# Altium PCB 足底压力.PcbDoc
Units mil, origin at the board's own origin, x right, y up, seen from the top; angles counter-clockwise.
Board outline 2039.64 x 1716.04 mil, 2 copper layers (Top Layer, Bottom Layer), stack 46.457 mil thick; 67 components, 68 nets, 383 pads, 80 vias.
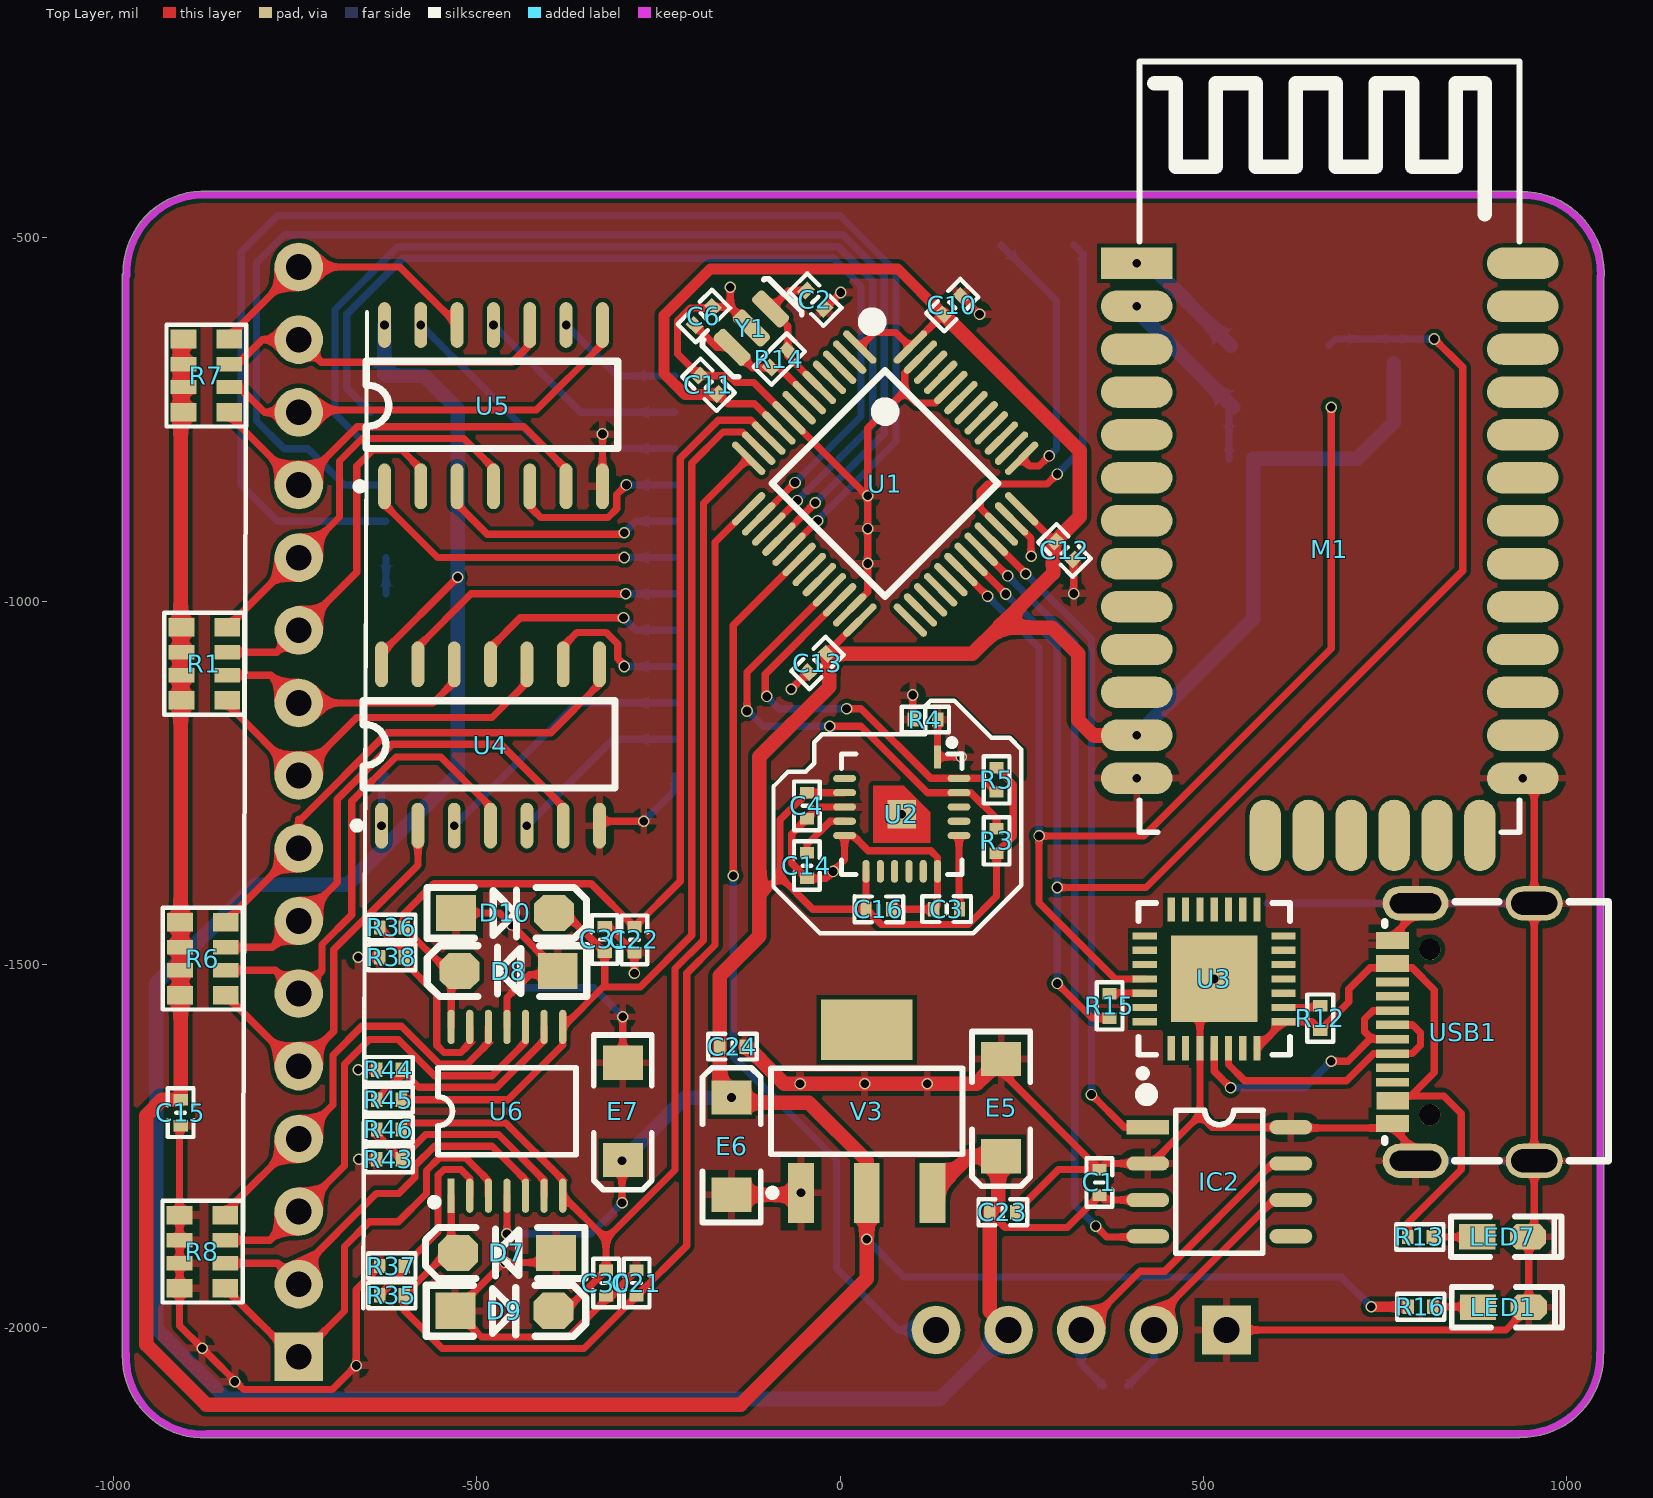
[diagram p0: Top Layer view]
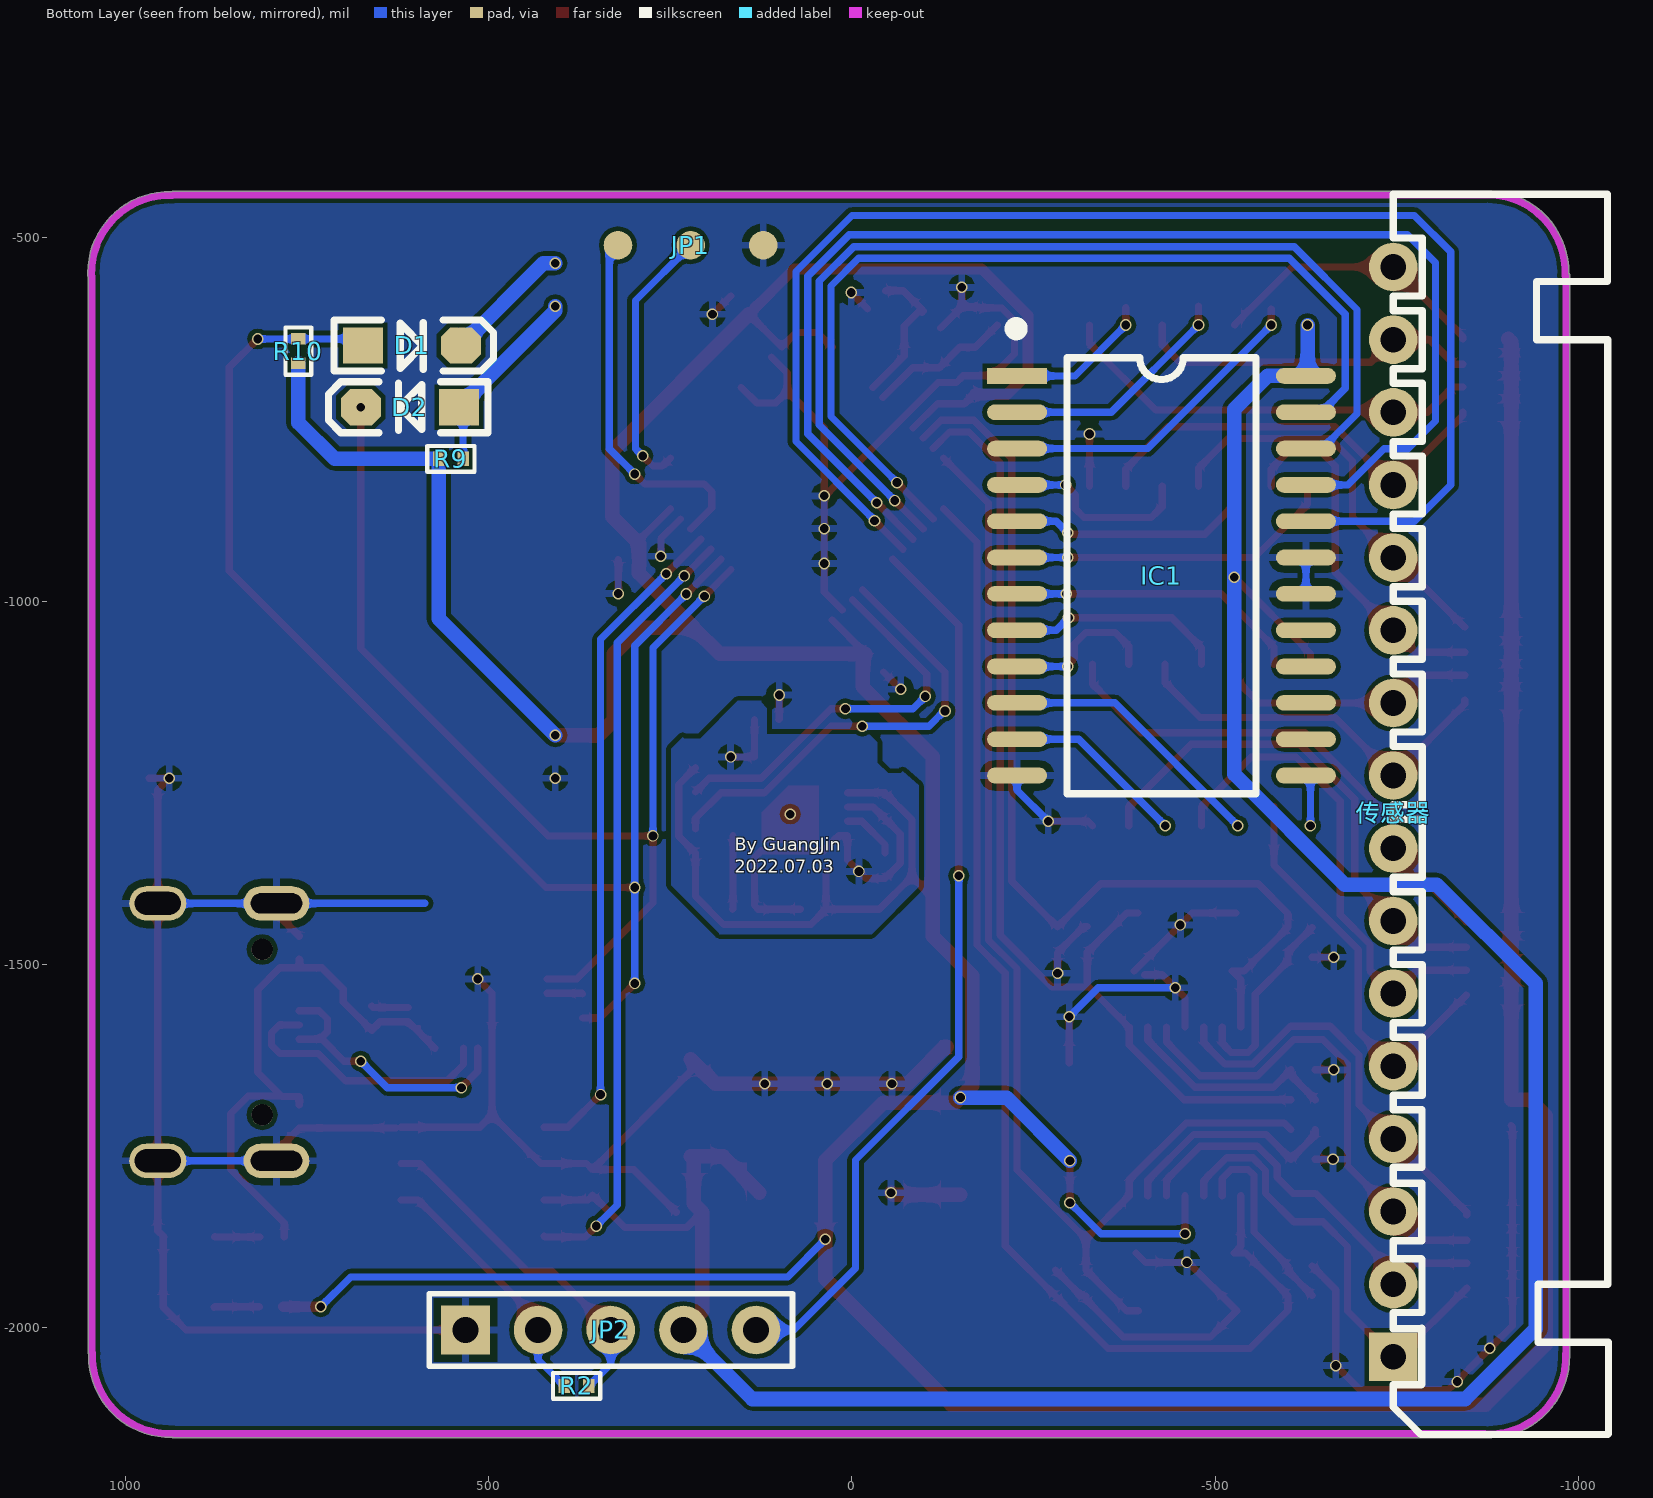
[diagram p1: Bottom Layer view, seen from below]

## Layer stack, top to bottom
Top Solder: solder mask 0.3937, Solder Resist, Dk 3.5
Top Layer: signal copper 1.1811
Dielectric 1: dielectric 44.0945, FR-4, Dk 4.8
Bottom Layer: signal copper 1.1811
Bottom Solder: solder mask 0.3937, Solder Resist, Dk 3.5

## Board outline
-870.84,-2151.5 cw(c-876,-2040) -987.6,-2037.78 cw(c-983,-2035.78) -988.01,-2035.78 -988.02,-552 cw(c-983,-552) -986.61,-548.52 cw(c-875,-547) -870.58,-435.47 cw(c-870.78,-440.48) -868.55,-435.99 935.07,-435.99 cw(c935.07,-441) 937.1,-436.42 cw(c940,-548) 1051.62,-548 cw(c940,-548) 1051.53,-552.42 cw(c1046.52,-552.22) 1051.01,-554.45 1051.01,-2034.07 cw(c1046,-2034.07) 1050.58,-2036.1 cw(c939,-2039) 1050.62,-2039 cw(c939,-2039) 936.78,-2150.6 cw(c934.78,-2146) 934.78,-2151.01 -868.9,-2151.02 cw(c-871.07,-2146.49)

## Design rules (kind name [scope] priority, off if disabled: settings)
Clearance [All] p1: gap=6 ignorepadtopadclearanceinfootprint=FALSE
PolygonConnect [All] p1: connectstyle=Relief reliefconductorwidth=10 reliefentries=4 polygonreliefangle="90 Angle" airgapwidth=10
RoutingVias [All] p1: holewidth=28 width=50 viastyle="Through Hole" minholewidth=28 minwidth=50 maxholewidth=28 maxwidth=50
SolderMaskExpansion [All] p1: expansion=4
Width [All] p1: maxlimit=100 minlimit=10 preferedwidth=10
30 further rules are at their usual default settings.

## Components (designator, comment, footprint, x,y, rotation, side; value= is the part's Value field where it differs from the comment)
C1 "22pF" "C 0402_L" 357,-1800 r270 top
C2 "22pF" "C 0402_L" -34,-585 r135 top
C3 "2.2u" "C 0402_L" 146.73,-1423.83 r0 top
C4 "104" "C 0402_L" -45.55,-1281.55 r270 top
C6 "22pF" "C 0402_L" -187.53,-607.53 r225 top
C10 "104" "C 0402_L" 154.47,-592.53 r225 top
C11 "104" "C 0402_L" -181,-702 r315 top
C12 "104" "C 0402_L" 309,-930 r135 top
C13 "104" "C 0402_L" -31,-1085 r45 top
C14 "104" "C 0402_L" -45.55,-1363.83 r90 top
C15 "104" "C 0402_L" -907.5,-1704 r270 top
C16 "104" "C 0402_L" 53.45,-1424 r180 top
C21 "104" "C 0402_L" -280,-1938.4 r270 top
C22 "104" "C 0402_L" -283,-1466 r270 top
C23 "104" "C 0402_L" 224,-1841 r180 top
C24 "104" "C 0402_L" -148,-1613 r180 top
C30 "104" "C 0402_L" -322,-1938.4 r270 top
C31 "104" "C 0402_L" -324,-1465.5 r90 top
D1 "MBR0520" SOD-123 605.5,-648 r180 bottom
D2 "MBR0520" SOD-123 608.5,-733 r0 bottom
D7 "1N5819" SOD-123 -458.45,-1897 r180 top
D8 "1N5819" SOD-123 -456,-1509 r180 top
D9 "1N5819" SOD-123 -462,-1976.53 r0 top
D10 "1N5819" SOD-123 -461,-1429 r0 top
E5 "10uF/16V" "CD A(3216)" 221.77,-1697.07 r90 top
E6 "10uF/16V" "CD A(3216)" -149.23,-1750 r270 top
E7 "10uF/16V" "CD A(3216)" -299,-1702 r90 top
IC1 "74HC154" SOP24_N -426,-964.87 r180 bottom
IC2 "TJA1050" SOP8_L 522,-1799 r0 top
JP1 "下载接口" 下载接口 122.06,-510 r0 bottom
JP2 "HDR-1X5" HDR2.54-M-LI-5P 332,-2003 r180 bottom
LED1 "红色" "LED 0603R" 913,-1972 r0 top
LED7 "红色" "LED 0603R" 912,-1875 r0 top
M1 "HC-05" HC-05 674,-787 r0 top
R1 "30K" RCA-8P4R-0603 -875,-1086 r90 top
R2 "120R" "R 0402_L" 378,-2080 r0 bottom
R3 "4.7K" "R 0402_L" 215.45,-1330.83 r90 top
R4 "0K" "R 0402_L" 116.5,-1162.83 r0 top
R5 "4.7K" "R 0402_L" 215.45,-1244.83 r270 top
R6 "30K" RCA-8P4R-0603 -877,-1492 r90 top
R7 "30K" RCA-8P4R-0603 -872,-689.47 r90 top
R8 "10K" RCA-8P4R-0603 -877.5,-1895.25 r270 top
R9 "5.6K" "R 0402_L" 551,-804 r0 bottom
R10 "5.6K" "R 0402_L" 762,-654.75 r270 bottom
R12 "10K" "R 0402_L" 661,-1574.71 r90 top
R13 "1K" "R 0402_L" 799,-1875 r180 top
R14 "10M" "R 0402_L" -83,-666 r225 top
R15 "200R" "R 0402_L" 371,-1558 r90 top
R16 "1K" "R 0402_L" 800,-1971 r180 top
R35 "30K" "R 0402_L" -617.79,-1955.4 r0 top
R36 "30K" "R 0402_L" -615.83,-1449 r180 top
R37 "10K" "R 0402_L" -615.83,-1915 r180 top
R38 "10K" "R 0402_L" -617.79,-1490 r0 top
R43 "10K" "R 0402_L" -621.79,-1768 r0 top
R44 "10K" "R 0402_L" -619.83,-1645 r180 top
R45 "30K" "R 0402_L" -619.83,-1686 r180 top
R46 "30K" "R 0402_L" -621.79,-1727 r0 top
U1 "STM32F103C8" "LQFP48 7X7_L" 62,-838 r225 top
U2 "MPU6050" "QFN24 4x4_L" 85,-1293 r180 top
U3 "CP2102" QFN-28 515,-1519.79 r90 top value=Value
U4 "SN74HC05DR" SOP14 -631,-1308.87 r90 top
U5 "SN74HC05DR" SOP14 -627,-841.87 r90 top
U6 "OPA4377" TSSOP14_L -458.45,-1702 r90 top
USB1 "Type-C" USB-C-SMD_16P 858,-1593 r270 top
V3 "AMS1117-3V3" SOT223_L 36.77,-1702 r90 top
Y1 "晶振-8M" XTAL3*7 -122,-624 r225 top
传感器 "HDR-1X16" XH2.54-WI-16P -745,-1290 r90 bottom

## Footprints (in the part's own frame and the unit in brackets; to place one, negate y for a bottom-side part, rotate by r counter-clockwise, add the part's x,y. Pads: shape width x height; smd on the part's side, far side on the other; paste and mask are expansions set on the pad)
"C 0402_L" [mm] "无极性贴片电容         淘宝ID:黄晶宝石"
  rect 0.4x0.5 smd: 1(-0.45,0) 2(0.45,0)
  silkscreen extent -0.85,-0.45 0.85,0.45, body extent -0.5,-0.26 0.5,0.26, height 0.53
"CD A(3216)" [mm] "长3.2mm，宽1.6mm，厚1.6mm      淘宝ID:黄晶宝石"
  rect 1.2x1.4 smd: 1(-1.7,0) 2(1.7,0)
  silkscreen extent -2.74,-1.02 2.67,1.02, body extent -1.6,-0.8 1.6,0.8, height 1.6
HC-05 [mm] "串口蓝牙模块"
  rect 2.5x1.1 smd: 1(-6.75,6.403)
  oval 2.5x1.1 smd: 2(-6.75,4.903) 3(-6.75,3.403) 4(-6.75,1.903) 5(-6.75,0.403) 6(-6.75,-1.097) 7(-6.75,-2.597) 8(-6.75,-4.097) 9(-6.75,-5.597) 10(-6.75,-7.097) 11(-6.75,-8.597) 12(-6.75,-10.097) 13(-6.75,-11.597) 22(6.75,-11.597) 23(6.75,-10.097) 24(6.75,-8.597) 25(6.75,-7.097) 26(6.75,-5.597) 27(6.75,-4.097) 28(6.75,-2.597) 29(6.75,-1.097) 30(6.75,0.403) 31(6.75,1.903) 32(6.75,3.403) 33(6.75,4.903) 34(6.75,6.403)
  oval 1.1x2.5 smd: 16(-2.25,-13.597) 17(-0.75,-13.597) 18(0.75,-13.597) 19(2.25,-13.597) 20(3.75,-13.597) 21(5.25,-13.597)
  silkscreen extent -6.65,-13.49 6.64,13.46, body extent -6.52,-13.37 6.52,13.35, height 2.46
HDR2.54-M-LI-5P [mm] "排母，5脚   淘宝ID:黄晶宝石   店铺网址:https://shop463601444.taobao.com"
  rect 1.7x1.7 hole 0.9: 1(-5.08,0)
  round 1.7 hole 0.9: 2(-2.54,0) 3(0,0) 4(2.54,0) 5(5.08,0)
  silkscreen extent -6.35,-1.27 6.35,1.27, body extent -6.35,-1.27 6.35,1.27, height 8.5
"LED 0603R" [mil] "红色0603LED"
  rect 50x35 smd: 1(-35,0.26)
  oct 50x35 smd: 2(35,0.26)
  silkscreen extent -71,-28 81,28, body extent -31,-16 32,16, height 24
"LQFP48 7X7_L" [mm] "48脚，体宽7x7mm，脚距0.5mm     淘宝ID:黄晶宝石"
  oval 0.25x1.55 smd: 1(-2.75,-4) 2(-2.25,-4) 3(-1.75,-4) 4(-1.25,-4) 5(-0.75,-4) 6(-0.25,-4) 7(0.25,-4) 8(0.75,-4) 9(1.25,-4) 10(1.75,-4) 11(2.25,-4) 12(2.75,-4) 25(2.75,4) 26(2.25,4) 27(1.75,4) 28(1.25,4) 29(0.75,4) 30(0.25,4) 31(-0.25,4) 32(-0.75,4) 33(-1.25,4) 34(-1.75,4) 35(-2.25,4) 36(-2.75,4)
  oval 1.55x0.25 smd: 13(4,-2.75) 14(4,-2.25) 15(4,-1.75) 16(4,-1.25) 17(4,-0.75) 18(4,-0.25) 19(4,0.25) 20(4,0.75) 21(4,1.25) 22(4,1.75) 23(4,2.25) 24(4,2.75) 37(-4,2.75) 38(-4,2.25) 39(-4,1.75) 40(-4,1.25) 41(-4,0.75) 42(-4,0.25) 43(-4,-0.25) 44(-4,-0.75) 45(-4,-1.25) 46(-4,-1.75) 47(-4,-2.25) 48(-4,-2.75)
  silkscreen extent -3.93,-4.57 2.79,2.79, body extent -4.5,-4.5 4.5,4.5, height 1.45
"QFN24 4x4_L" [mm] "24脚，长x宽x高：4x4x1mm，脚距：0.5mm"
  rect 0.25x0.8 smd: 1(-1.25,-2)
  oval 0.8x0.25 smd: 7(2,-1.25) 8(2,-0.75) 9(2,-0.25) 10(2,0.25) 11(2,0.75) 20(-2,0.75) 21(-2,0.25) 22(-2,-0.25) 23(-2,-0.75) 24(-2,-1.25)
  oval 0.25x0.8 smd: 13(1.25,2) 14(0.75,2) 15(0.25,2) 16(-0.25,2) 17(-0.75,2) 18(-1.25,2)
  rect 1x1 smd: 25(0,0)
  Top Layer region: -1,1 1,1 1,-1 -0.067,-1 -1,-0.067
  silkscreen extent -2.11,-2.6 2.11,2.11, body extent -2.01,-2.01 2.01,2.01, height 0.95
QFN-28 [mm] "QFN, 28-Leads, Body 5.00x5.00mm, Pitch 0.50mm, Thermal Pad 3.03x3.03mm, IPC Medium Density"
  rect 0.85x0.25 smd: 1(-2.425,1.5) 2(-2.425,1) 3(-2.425,0.5) 4(-2.425,0) 5(-2.425,-0.5) 6(-2.425,-1) 7(-2.425,-1.5) 15(2.425,-1.5) 16(2.425,-1) 17(2.425,-0.5) 18(2.425,0) 19(2.425,0.5) 20(2.425,1) 21(2.425,1.5)
  rect 0.25x0.85 smd: 8(-1.5,-2.425) 9(-1,-2.425) 10(-0.5,-2.425) 11(0,-2.425) 12(0.5,-2.425) 13(1,-2.425) 14(1.5,-2.425) 22(1.5,2.425) 23(1,2.425) 24(0.5,2.425) 25(0,2.425) 26(-0.5,2.425) 27(-1,2.425) 28(-1.5,2.425)
  rect 3.03x3.03 smd: 29(0,0)
  silkscreen extent -3.42,-2.65 2.65,2.65, body extent -2.5,-2.53 2.54,2.51, height 0.9
"R 0402_L" [mm] "1/16W贴片电阻     淘宝ID:黄晶宝石"
  rect 0.4x0.5 smd: 1(-0.4,0) 2(0.45,0)
  silkscreen extent -0.8,-0.45 0.85,0.45, body extent -0.5,-0.25 0.5,0.25, height 0.3
RCA-8P4R-0603 [mm] "3.2mm*1.6mm*0.6mm(长*宽*厚)"
  rect 0.65x0.9 smd: 1(-1.28,-0.8) 4(1.28,-0.8) 5(1.28,0.8) 8(-1.28,0.8)
  rect 0.5x0.9 smd: 2(-0.4,-0.8) 3(0.4,-0.8) 6(0.4,0.8) 7(-0.4,0.8)
  silkscreen extent -1.78,-1.4 1.78,1.4, body extent -1.6,-0.8 1.6,0.8, height 0.6
SOD-123 [mil] "2.7x1.6X1.1mm（长宽高，不包括引脚） 淘宝ID:黄晶宝石"
  rect 55x50 smd: 1(-67.5,0)
  oct 55x50 smd: 2(67.5,0)
  silkscreen extent -107,-35 112,35, body extent -73,-31 73,31, height 48
SOP8_L [mm] "5*6*1.8mm（长宽高）封装库来自淘宝卖家 ID：黄晶宝石"
  rect 1.5x0.5 smd: 1(-2.5,1.905)
  oval 1.5x0.5 smd: 2(-2.5,0.635) 3(-2.5,-0.635) 4(-2.5,-1.905) 5(2.5,-1.905) 6(2.5,-0.635) 7(2.5,0.635) 8(2.5,1.905)
  silkscreen extent -2.69,-2.5 1.52,3.2, body extent -3,-2.5 3,2.5, height 1.9
SOP14 [mm] "封装库来自淘宝卖家 ID：黄晶宝石"
  oval 1.6x0.45 smd mask+0.1: 1(0,0) 2(0,-1.27) 3(0,-2.54) 4(0,-3.81) 5(0,-5.08) 6(0,-6.35) 7(0,-7.62) 8(5.639,-7.62) 9(5.639,-6.35) 10(5.639,-5.08) 11(5.639,-3.81) 12(5.639,-2.54) 13(5.639,-1.27) 14(5.639,0)
  silkscreen extent -0.12,-8.16 4.37,0.99, body extent -0.31,-8.16 5.89,0.54, height 1.61
SOP24_N [mm] "15.4*10.6*2.6mm（长宽高）  淘宝ID:黄晶宝石"
  rect 2.1x0.55 smd: 1(-5.05,6.985)
  oval 2.1x0.55 smd: 2(-5.05,5.715) 3(-5.05,4.445) 4(-5.05,3.175) 5(-5.05,1.905) 6(-5.05,0.635) 7(-5.05,-0.635) 8(-5.05,-1.905) 9(-5.05,-3.175) 10(-5.05,-4.445) 11(-5.05,-5.715) 12(-5.05,-6.985) 13(5.05,-6.985) 14(5.05,-5.715) 15(5.05,-4.445) 16(5.05,-3.175) 17(5.05,-1.905) 18(5.05,-0.635) 19(5.05,0.635) 20(5.05,1.905) 21(5.05,3.175) 22(5.05,4.445) 23(5.05,5.715) 24(5.05,6.985)
  silkscreen extent -5.23,-7.62 3.3,8.79, body extent -5.15,-7.7 5.15,7.7, height 2.7
SOT223_L [mm] "SOT223, 4-Leads, Body 6.5x3.5mm, Pitch 2.3mm, Lead Span 7mm, IPC High Density"
  rect 2.1x0.9 smd: 1(-2.85,2.3) 2(-2.85,0) 3(-2.85,-2.3)
  rect 2.1x3.2 smd: 4(2.85,0)
  silkscreen extent -2.97,-3.35 1.5,3.42, body extent -1.85,-3.35 1.85,3.35, height 1.7
TSSOP14_L [mm] "5*6.4*1mm（长宽高）封装库来自淘宝卖家 ID：黄晶宝石"
  rect 1.2x0.25 smd: 1(-2.95,1.95)
  oval 1.2x0.25 smd: 2(-2.95,1.3) 3(-2.95,0.65) 4(-2.95,0) 5(-2.95,-0.65) 6(-2.95,-1.3) 7(-2.95,-1.95) 8(2.95,-1.95) 9(2.95,-1.3) 10(2.95,-0.65) 11(2.95,0) 12(2.95,0.65) 13(2.95,1.3) 14(2.95,1.95)
  silkscreen extent -3.3,-2.41 1.52,2.67, body extent -3.2,-2.5 3.2,2.5, height 1.03
USB-C-SMD_16P [mm]
  oval 1.2x2 hole 0.8 slot 1.6 at 90 deg: 0(-4.5,2.475) 0(4.5,2.475)
  oval 1.2x2.3 hole 0.7 slot 1.8 at 90 deg: 0(-4.5,-1.675) 0(4.5,-1.675)
  rect 0.3x1.15 smd: A1(3.35,-2.473) A4(2.55,-2.471) A5(1.25,-2.475) A6(0.25,-2.475) A7(-0.25,-2.473) A9(-2.55,-2.475) A12(-3.35,-2.475) B1(-3.05,-2.475) B4(-2.25,-2.475) B5(-1.75,-2.475) B6(-0.75,-2.475) B7(0.75,-2.473) B9(2.25,-2.471) B12(3.05,-2.473)
  rect 0.3x1.148 smd: A8(1.75,-2.475) B8(-1.25,-2.475)
  round 0.75 hole 0.75 unplated: ""(-2.89,-1.175) ""(2.89,-1.175)
  silkscreen extent -4.56,-2.75 4.5,5.08, body extent -4.45,-2.87 4.49,5.03, height 3.25
XH2.54-WI-16P [mm] "接插件，16P"
  rect 1.7x1.7 hole 0.9: 1(-19.05,0)
  round 1.7 hole 0.9: 2(-16.51,0) 3(-13.97,0) 4(-11.43,0) 5(-8.89,0) 6(-6.35,0) 7(-3.81,0) 8(-1.27,0) 9(1.27,0) 10(3.81,0) 11(6.35,0) 12(8.89,0) 13(11.43,0) 14(13.97,0) 15(16.51,0) 16(19.05,0)
  silkscreen extent -21.77,-7.53 21.59,0, body extent -21.55,-7.35 21.55,0.35, height 5.75
XTAL3*7 [mm]
  rrect50% 0.55x1.45 smd: 1(-0.95,0) 2(0,0) 3(0.95,0)
  silkscreen extent -1.65,-0.89 1.65,0.91, body extent -1.6,-0.89 1.65,0.89, height 0.7
下载接口 [mm] "Jlink下载接口"
  round 1 smd: 1(0,0) 1(0,0) 2(2.54,0) 3(5.08,0)

## Part data
C1 C2 C3 C4 C6 C10 C11 C12 C13 C14 C15 C16 C21 C22 C23 C24 C30 C31: library part C, "贴片电容"
D1 D2: library part 1N4007, "整流二极管"
D7 D8 D9 D10: "肖特基二极管"
E5 E6 E7: library part CT, "贴片钽电容"
IC1: "4线转16线译码器"
IC2: "CAN总线收发芯片"
JP1: "Jlink下载接口"
JP2: library part "Header 5", "5P接插件"
LED1 LED7: library part LED-SMD, "贴片LED", BOM名称=贴片, 学习资源=https://shop463601444.taobao., 版权归属=封装库来自淘
M1: "串口蓝牙模块"
R1 R6 R7 R8: library part R-8P4R, "贴片排阻"
R2 R3 R4 R5 R9 R10 R12 R13 R14 R16 R35 R36 R37 R38 R43 R44 R45 R46: library part R, "贴片电阻"
R15: library part 电阻-0402, "Resistor"
U1: "Flaah:64/RAM:20/IO:36"
U2: "数字运动传感器"
U3: "USBתTTL", MFG #1="SILICON LABS", PART DESC="SINGLE-CHIP USB TO UART BRIDGE, QFN28, RoHS.", PART NUMBER=CP2102, RefDes=RefDes, Type=DEV
U6: "4路运放"
USB1: library part USB-Type-C-TOP
V3: library part AMS1117, "三端稳压芯片", BOM名称=ÎÈÑ, 欢迎光临淘宝店铺=https://shop463601444.tao, 淘宝ID=封装库来自淘宝
Y1: library part XTAL-3P
传感器: library part "Header 16", "16P接插件"

## Via types
v1: diameter 16, hole 12, Top Layer to Bottom Layer, tented both sides, 80 vias

## Nets (pads, with @x,y where several pads share a name; then routed paths per layer and width w, separated by ;. In a path a pad name is that pad's centre, name@x,y a point inside that pad or via, vN(x,y) a via of type N, cw(c..) or ccw(c..) an arc to the next point about the centre after c; other vN are vias at no path point)
3.3V: C4.1 C10.2 C11.2 C12.2 C13.2 C15.1 C16.2 C24.2 E6.1 E7.1 M1.12 R1.5 R1.6 R1.7 R1.8 R3.1 R5.1 R6.5 R6.6 R6.7 R6.8 R7.5 R7.6 R7.7 R7.8 R9.2 R10.2 R16.2 U1.1 U1.9 U1.24 U1.36 U1.48 U2.8 U2.13 U6.4 V3.2 | length 8496
  Top Layer w10: v1(-458.45,-1870.61) U6.4 ; v1(-300,-1828) v1(-300,-1769.93) E7.1 ; C11.2 -155,-728 -117.6,-728 U1.9 ; -111,-1407.28 -82.55,-1378.83 ; C13.2 -18.47,-1071.59 U1.24 ; U2.8 -45.2,-1263.47 C4.1 -82.55,-1300.83 -82.55,-1378.83 ; U1.1 47.31,-630 76.69,-630 U1.48 C10.2@141.84,-605.05 ; U2.13 35.79,-1423.94 C16.2 ; R5.1 238.45,-1252.08 238.45,-1323.58 R3.1 215.45,-1406.1 176.71,-1444.84 56.58,-1444.84 C16.2 ; U1.36 294.59,-917.47 C12.2 ; -82.55,-1378.83 -37.39,-1424 C16.2
  Top Layer w15: C11.2 -169.45,-715.5 -213.5,-715.5 -242.08,-686.92 -242.08,-606.44 -178.1,-542.46 79.35,-542.46 C10.2 ; v1(731,-1971) R16.2
  Top Layer w20: R7.5 -907.5,-643.08 -907.5,-705.22 -907.5,-1101.75 -907.5,-1441.61 C15.1 -933.28,-1686.28 -955,-1708 -955,-2023 -872,-2106 -137,-2106 36.77,-1932.23 v1(36.77,-1878.23) V3.2 36.77,-1769.77 -43,-1690 -142.31,-1690 v1(-149.23,-1683.07) -165.71,-1666.59 C24.2 -165.71,-1515.71 -111,-1461 -111,-1407.28 -111,-1214 -15,-1118 C13.2@-15,-1072.48 ; C13.2 C13.2@-15,-1072.48 ; C10.2@141.84,-605.05 330,-793.21 330,-883.95 C12.2 293,-920.95 293,-950.55 293.23,-950.77 293.23,-961.17 218.12,-1036.28 ; v1(408.25,-1184.52) 348.52,-1184.52 328,-1164 328,-1072 292.28,-1036.28 218.12,-1036.28 ; C13.2@-15,-1072.48 181.92,-1072.48 218.12,-1036.28
  Bottom Layer w10: v1(-458.45,-1870.61) -342.61,-1870.61 v1(-300,-1828) ; v1(36.77,-1878.23) 88.53,-1930 690.01,-1930 v1(731,-1971)
  Bottom Layer w20: v1(-300,-1769.93) -213.14,-1683.07 v1(-149.23,-1683.07) ; v1(408.25,-1184.52) 568.71,-1024.06 R9.2 712,-804 762,-754 R10.2
5V: C1.2 C23.2 E5.1 IC1.24 IC2.3 JP2.4 U4.14 U5.14 V3.3 | length 3732.9
  Top Layer w10: U4.14 -631,-1071.87 v1(-526,-966.87) ; C23.2 227,-1861.71 227,-1862 312.71,-1862 C1.2 363.28,-1824 IC2.3
  Top Layer w20: V3.3 177.52,-1764 E5.1@217.84,-1764 ; E5.1 E5.1@217.84,-1764 ; JP2.4 206.29,-1977.29 C23.2 217.84,-1829.44 E5.1@217.84,-1764
  Bottom Layer w20: v1(-627,-619.87) -627,-687.69 IC1.24 -572,-689.87 -526,-735.87 v1(-526,-966.87) -526,-1237.81 -678.19,-1390 -805,-1390 -941,-1526 -941,-2001 -844,-2098 137,-2098 JP2.4
CANH: IC2.7 JP2.3 R2.1 | length 472.8
  Top Layer w10: JP2.3 413,-1922 447,-1922 595,-1774 IC2.7
  Bottom Layer w10: JP2.3 332,-2049.75 R2.1
CANL: IC2.6 JP2.2 R2.2 | length 362.8
  Top Layer w10: JP2.2 432,-1994 432,-1989 597,-1824 IC2.6
  Bottom Layer w10: R2.2 432,-2043.71 JP2.2
CV0: R6.1 U4.2 传感器.5 | length 566
  Top Layer w10: R6.1 -747.9,-1640 传感器.5 -697,-1592 -697,-1479.19 -581,-1363.19 U4.2 U4.2@-581,-1282.87
CV1: R6.2 U4.4 传感器.6 | length 679.6
  Top Layer w10: R6.2 -777.25,-1507.75 传感器.6 -713,-1508 -713,-1472.56 -672,-1431.56 -672,-1275.14 -611.12,-1214.26 -549.61,-1214.26 -481,-1282.87 U4.4
CV2: R6.3 U4.6 传感器.7 | length 708.8
  Top Layer w10: R6.3 -781.25,-1476.25 传感器.7 -692,-1387 -692,-1272.51 -616.49,-1197 -466.87,-1197 -381,-1282.87 U4.6
CV3: R6.4 U4.8 传感器.8 | length 701.4
  Top Layer w10: R6.4 -845.5,-1440.5 传感器.8 -745,-1299.87 -741.98,-1299.87 -623.12,-1181 -398.13,-1181 -331,-1113.87 U4.8
CV4: R1.1 U4.10 传感器.9 | length 536.6
  Top Layer w10: R1.1 -843.5,-1141.5 传感器.9 -665,-1160 -479,-1160 -431,-1112 U4.10
CV5: R1.2 U4.12 传感器.10 | length 364.4
  Top Layer w10: R1.2 -783.25,-1101.75 传感器.10 -560.13,-1140 -531,-1110.87 U4.12
CV6: R1.3 U5.2 传感器.11 | length 502.1
  Top Layer w10: R1.3 -775.25,-1070.25 传感器.11 -665,-960 -665,-814 -642.87,-791.87 -603,-791.87 -577,-817.87 U5.2
CV7: R1.4 U5.4 传感器.12 | length 561.3
  Top Layer w10: R1.4 -747.9,-940 传感器.12 -689,-884 -689,-806.87 -658,-775.87 -518,-775.87 -477,-816.87 U5.4
CV8: R7.1 U5.6 传感器.13 | length 588.9
  Top Layer w10: R7.1 -840.5,-744.5 传感器.13 -664.87,-759.87 -435,-759.87 -377,-817.87 U5.6
CV9: R7.2 U5.8 传感器.14 | length 592.9
  Top Layer w10: R7.2 -826.78,-705.22 -792,-740 传感器.14 -741.87,-736.87 -418,-736.87 -327,-645.87 U5.8
CV10: R7.3 U5.10 传感器.15 | length 477.3
  Top Layer w10: R7.3 -829.08,-673.72 -795.36,-640 传感器.15 -714.07,-670.93 -451.07,-670.93 -427,-646.87 U5.10
CV11: R7.4 U5.12 传感器.16 | length 390.1
  Top Layer w10: R7.4 -840.5,-635.5 传感器.16 -606.14,-540 -527,-619.14 U5.12
D+: U3.4 USB1.A6 USB1.B6 | length 389.4
  Top Layer w10: U3.4 515,-1646.9 v1(537.55,-1669.45) ; v1(676,-1633) 699,-1633 729.16,-1602.84 731.84,-1602.84 ; USB1.A6 731.84,-1602.84 ; USB1.B6 733.53,-1563.47 722,-1575 722,-1593 731.84,-1602.84
  Bottom Layer w10: v1(537.55,-1669.45) 639.55,-1669.45 v1(676,-1633)
D-: U3.5 USB1.A7 USB1.B7 | length 376.1
  Top Layer w10: U3.5 534.69,-1637.69 557,-1660 697,-1660 734.47,-1622.53 USB1.B7 787.47,-1622.53 799,-1611 799,-1594 788.16,-1583.16 USB1.A7
GND: C1.1 C2.1 C6.1 C10.1 C11.1 C12.1 C13.1 C15.2 C21.1 C22.2 C23.1 C24.1 C30.2 C31.2 D7.1 D8.1 D9.1 D10.1 E5.2 E6.2 E7.2 IC1.12 IC1.18 IC1.19 IC2.2 IC2.8 JP1.1 JP2.1 LED1.2 LED7.2 M1.13 M1.22 R4.1 R8.1 R8.2 R8.3 R8.4 R37.2 R38.1 R43.1 R44.2 U1.8 U1.23 U1.35 U1.44 U1.47 U3.3 U3.29 U4.7 U5.7 U6.11 USB1.0 USB1.A1 USB1.A12 USB1.B1 USB1.B12 V3.1 Y1.2 | length 6687.3
  Top Layer w10: C15.2 -908.99,-1723.21 R8.1 R8.2 R8.3 R8.4 -908.99,-1997.01 v1(-878,-2028) -821,-2085 -699,-2085 v1(-666,-2052) -666,-1947.46 R37.2 ; v1(-663,-1645) R44.2 ; v1(-663,-1490) R38.1 ; v1(-662,-1768) R43.1 ; D10.1 -468.5,-1429 v1(-452,-1445.5) D8.1 ; U6.11 -458.45,-1545.45 v1(-445,-1532) -427,-1514 D8.1@-403,-1514 ; D7.1 -403.95,-1910 v1(-461,-1910) -462.97,-1910 D9.1 -493.5,-2012.53 -373.53,-2012.53 -322,-1961 C30.2 -315.43,-1956.12 C21.1 ; U4.7 -325,-1302.87 v1(-270,-1302.87) ; U5.7 v1(-327,-769.87) ; C31.2 -318.93,-1447.79 C22.2 v1(-283,-1512) ; E7.2 v1(-299,-1572) ; v1(-151,-568) -151,-595 ; Y1.2 -151,-595 ; v1(-67,-1121) C13.1 ; C2.1 v1(1.06,-575) ; U1.23 38,-987.27 v1@38,-855.76 ; v1(100,-1129) 100,-1162.08 R4.1 ; U1.47 89,-685.73 89,-711 ; U1.44 131.24,-727 105,-727 89,-711 ; C10.1 v1(192.05,-605.05) ; E5.2 221.77,-1647.05 C1.1 ; U1.35 263,-913.73 v1(263,-938) ; C23.1 300.43,-1782.28 C1.1 ; v1(321.53,-989.47) C12.1 ; v1(515,-1519.79) 495.32,-1539.48 U3.3 495.32,-1707.19 ; JP2.1 916.75,-2003 LED1.2 948,-1875.74 LED7.2 955.45,-1866.3 955.45,-1770.17 955.45,-1415.83 955.45,-1259.28 v1(939.75,-1243.57) M1.22@967.43,-1243.57 ; IC2.8 512.13,-1724 495.32,-1707.19 ; IC2.8@627.54,-1724.89 USB1.A1 792.06,-1756.33 USB1.0@792.06,-1770.17 ; USB1.A12 792.06,-1429.61 USB1.0@792.06,-1415.83 ; -151,-595 C6.1 -175,-596.52 -206,-596.52 -223.58,-614.1 -223.58,-659.42 C11.1 -153.26,-689.47 -143.73,-699 -118.76,-699 U1.8 v1@38,-855.76 ; v1@38,-855.76 38,-762 89,-711 ; C1.1 365.28,-1774 IC2.2 428.5,-1774 495.32,-1707.19
  Top Layer w20: E6.2 -56.51,-1816.93 v1(-53.79,-1814.2) ; C24.1 -127.67,-1613 -76.67,-1664 v1(-55,-1664) v1(34,-1664) v1(120,-1664) 187.91,-1664 E5.2
  Bottom Layer w10: IC1.18 IC1.19 ; v1(-445,-1532) -339,-1532 v1(-299,-1572) ; v1(-270,-1302.87) -227.18,-1260.05 IC1.12 ; 587.58,-1415.83 USB1.0@955.45,-1415.83 ; USB1.0@792.06,-1770.17 USB1.0@955.45,-1770.17
  other v1: -833,-2074 408.25,-1243.57 38,-948 38,-900 38,-855
GND-IMU: C3.1 C4.2 C14.1 C16.1 R4.2 U2.1 U2.9 U2.11 U2.18 | length 610
  Top Layer w10: U2.9 -29.45,-1283.16 C4.2 -66.55,-1320.26 -66.55,-1360.55 C14.1 -19.27,-1381.55 6.26,-1356.02 U2.11 18.14,-1322.53 38.99,-1343.37 124.99,-1343.37 134.21,-1352.6 U2.18 134.21,-1418.63 C3.1 128.84,-1424 C16.1 ; R4.2 U2.1 v1(167.02,-1214.26)
  other v1: -9.55,-1371.83
IN1: R8.5 U6.3 传感器.1 | length 619
  Top Layer w10: R8.5 -751.65,-2040 传感器.1 -682,-1977 -682,-1888 -648,-1854 -608,-1854 -569.2,-1815.2 -569.2,-1783.58 -551.63,-1766 -515.37,-1766 -484.05,-1797.33 U6.3
IN2: R8.6 U6.5 传感器.2 | length 565
  Top Layer w10: R8.6 -774,-1911 传感器.2 -745,-1922 -638,-1815 -607,-1815 -585.2,-1793.2 -585.2,-1776.95 -558.25,-1750 -479,-1750 -432.86,-1796.14 U6.5
IN3: R8.7 U6.10 传感器.3 | length 670.3
  Top Layer w10: R8.7 -784.5,-1879.5 传感器.3 -682,-1777 -682,-1637.13 -648,-1603.13 -608.12,-1603.13 -558.25,-1653 -479,-1653 -432.86,-1606.86 U6.10
IN4: R8.8 U6.12 传感器.4 | length 567.5
  Top Layer w10: R8.8 -846,-1841 传感器.4 -698,-1693 -698,-1624.84 -658.16,-1585 -603.63,-1585 -551.63,-1637 -513,-1637 -484.05,-1608.05 U6.12
NetC3_2: C3.2 U2.20 | length 101.6
  Top Layer w10: U2.20 163.74,-1423.12 C3.2
NetC14_2: C14.2 U2.10 | length 76.3
  Top Layer w10: C14.2 -45.55,-1334.83 -13.57,-1302.84 U2.10
NetD1_2: D1.2 M1.1 | length 176.6
  Bottom Layer w20: v1(408.25,-534.91) 424.91,-534.91 D1.2
NetD2_1: D2.1 M1.2 R9.1 | length 267.4
  Bottom Layer w10: R9.1 535.25,-738.75 D2.1
  Bottom Layer w20: v1(408.25,-593.97) 408.25,-600.25 D2.1
NetLED1_1: LED1.1 R16.1 | length 62.6
  Top Layer w10: R16.1 877.26,-1971 LED1.1
NetLED7_1: LED7.1 R13.1 | length 62.4
  Top Layer w10: R13.1 876.75,-1875 LED7.1
NetR12_2: R12.2 U3.9 | length 51.4
  Top Layer w10: U3.9 658.84,-1559.16 R12.2
NetR15_2: R15.2 U3.26 | length 48.9
  Top Layer w10: R15.2 371.81,-1539.48 U3.26
NetR35_1: R35.1 R37.1 U6.2 | length 274.3
  Top Layer w10: R35.1 -600.08,-1921.94 R37.1 -553.2,-1868.12 -553.2,-1790.2 -545,-1782 -522,-1782 -509.64,-1794.36 U6.2
NetR36_2: R36.2 R38.2 U6.13 | length 271.9
  Top Layer w10: R36.2 -600.08,-1482.46 R38.2 -600.08,-1495.92 -555,-1541 -555,-1611 -545,-1621 -522,-1621 -509.64,-1608.64 U6.13
NetR43_2: R43.2 R46.1 U6.6 | length 313.1
  Top Layer w10: R46.1 -637.54,-1734.54 R43.2 -570.08,-1734 -470,-1734 -407.27,-1796.73 U6.6
NetR44_1: R44.1 R45.2 U6.9 | length 306.8
  Top Layer w10: R45.2 -604.08,-1652.54 R44.1 -580.08,-1669 -472,-1669 -407.27,-1604.27 U6.9
PA0/ADC1: C22.1 D8.2 R36.1 U1.10 U6.14 | length 1385.4
  Top Layer w10: U6.14 -535.23,-1520.73 D8.2 -540.08,-1509 R36.1 -600.08,-1430.08 -559,-1389 -342.28,-1389 C22.1 -220,-1385.28 -220,-803.37 -167.63,-751 -122.44,-751 U1.10
PA1/ADC2: C31.1 D10.2 R45.1 U1.11 U6.8 | length 1414.1
  Top Layer w10: R45.1 -457,-1686 -381.68,-1610.68 U6.8 -381.08,-1585.86 -326.23,-1531 -275.13,-1531 -204,-1459.87 -204,-810 -161,-767 -134.27,-767 U1.11 ; D10.2 -378.22,-1429 C31.1 -324,-1528.18
PA2/ADC3: C30.1 D9.2 R46.2 U1.12 U6.7 | length 1659.1
  Top Layer w10: R46.2 -595.07,-1718 -460,-1718 -381.68,-1796.32 U6.7 -322,-1877.82 ; D9.2 -377.84,-1976.53 C30.1 -322,-1877.82 ; U1.12 -188,-865.31 -188,-1466.5 -227,-1505.5 -227,-1782.82 -322,-1877.82
PA3/ADC4: C21.2 D7.2 R35.2 U1.13 U6.1 | length 1720.5
  Top Layer w10: U6.1 -535.23,-1887.73 D7.2 -541.67,-1897 R35.2 -600.08,-1975.92 -547.47,-2028.53 -352.41,-2028.53 C21.2 -211,-1887.11 -211,-1512.12 -172,-1473.12 -172,-918.89 U1.13
PA4/A: IC1.23 U1.14 | length 1283.3
  Top Layer w10: U1.14 v1(-61.97,-836.69)
  Bottom Layer w10: IC1.23@-646,-739.87 -679,-706.87 -679,-605 -602,-528 -9,-528 29,-566 29,-745.73 v1(-61.97,-836.69)
PA5/B: IC1.22 U1.15 | length 1407.3
  Top Layer w10: U1.15 v1(-58.91,-861.47)
  Bottom Layer w10: IC1.22@-647,-789.87 -695,-741.87 -695,-598.37 -608.63,-512 -2.37,-512 45,-559.37 45,-757.56 v1(-58.91,-861.47)
PA6/C: IC1.21 U1.16 | length 1750.9
  Top Layer w10: U1.16 v1(-34.13,-864.53)
  Bottom Layer w10: IC1.21@-632,-839.87 -682.25,-839.87 -732.12,-790 -765,-790 -803,-752 -803,-534 -764.54,-495.54 3.79,-495.54 61,-552.75 61,-769.4 v1(-34.13,-864.53)
PA7/D: IC1.20 U1.17 | length 1937.8
  Top Layer w10: U1.17 v1(-31.07,-889.31)
  Bottom Layer w10: IC1.20 -774.13,-889.87 -824,-840 -824,-519 -774,-469 -0.12,-469 77,-546.12 77,-780.27 -31.07,-888.34 v1(-31.07,-889.31)
PA11/CAN_RX: IC2.4 U1.32 | length 1075.1
  Top Layer w10: U1.32 v1(230.92,-965.16) ; v1(352,-1860) 367,-1875 422.57,-1875 IC2.4
  Bottom Layer w10: v1(230.92,-965.16) 323,-1057.24 323,-1831 v1(352,-1860)
PA12/CAN_TX: IC2.1 U1.33 | length 917.8
  Top Layer w10: U1.33 v1(255.76,-962.16) ; v1(346,-1679) 391,-1724 IC2.1
  Bottom Layer w10: v1(255.76,-962.16) 346,-1052.4 v1(346,-1679)
PB0/ADC8: JP2.5 U1.18 | length 1244.2
  Top Layer w10: v1(-147,-1377.83) -147,-1033.08 U1.18
  Bottom Layer w10: v1(-147,-1377.83) -147,-1627 -5,-1769 -5,-1918 80,-2003 JP2.5
PB10/SCL: R3.2 U1.21 U2.23 | length 632.5
  Top Layer w10: v1(-128,-1151) -128,-1097.6 U1.21 ; v1(-14,-1172) 29,-1172 120.47,-1263.47 U2.23 180.09,-1263.47 215.45,-1298.83 R3.2
  Bottom Layer w10: v1@-127.5,-1150.5 -106,-1172 v1(-14,-1172)
PB11/SDA: R5.2 U1.22 U2.24 | length 545.3
  Top Layer w10: v1@-103,-1130 -103,-1100.44 U1.22 ; v1(9,-1148) 29,-1148 124.79,-1243.79 U2.24 196.69,-1243.79 R5.2
  Bottom Layer w10: v1(-101,-1131) -84,-1148 v1(9,-1148)
SWCLK: JP1.2 U1.37 | length 374
  Top Layer w10: U1.37 260.69,-814 274,-814 v1(288,-800)
  Bottom Layer w10: JP1.2 298,-585.94 298,-790 v1(288,-800)
SWDIO: JP1.3 U1.34 | length 514
  Top Layer w10: U1.34 193,-871.56 193,-849 203.23,-838.77 285.23,-838.77 v1(299,-825)
  Bottom Layer w10: v1(299,-825) 334,-790 334,-521.94 JP1.3
Typec_5V: R12.1 R13.2 U3.7 U3.8 USB1.A4 USB1.A9 USB1.B4 USB1.B9 | length 810.8
  Top Layer w10: U3.7 U3.8 649.38,-1578.85 R12.1 700,-1551.46 700,-1534 729.58,-1504.42 USB1.B4 ; USB1.A9 USB1.B4 ; USB1.A4 USB1.B9 784.94,-1681.58 784.94,-1681.01 785.51,-1681.01 ; R13.2 781.29,-1855.71 855,-1782 855,-1705 831.01,-1681.01 785.51,-1681.01 ; USB1.B4 787.42,-1504.42 818,-1535 818,-1648.52 785.51,-1681.01
UART1-RX: D1.1 R10.1 R15.1 U1.31 | length 1947
  Top Layer w10: U1.31 v1(227.92,-990) ; v1(299,-1526) 346.75,-1573.75 R15.1 ; v1(299,-1394) 421,-1394 857,-958 857,-678 v1(818,-639)
  Bottom Layer w10: v1(227.92,-990) 299,-1061.08 v1(299,-1394) v1(299,-1526) ; D1.1 682,-639 R10.1 v1(818,-639)
UART1-TX: D2.2 U1.30 U3.25 | length 1533.1
  Top Layer w10: U1.30 v1(203.08,-993) ; U3.25 378.79,-1519.79 274,-1415 v1(274,-1323) 418,-1323 676,-1065 v1(676,-733)
  Bottom Layer w10: v1(203.08,-993) 274,-1063.92 v1(274,-1323)
VC0: IC1.13 U4.1 | length 71.6
  Bottom Layer w10: v1(-631,-1308.87) -631,-1246.05 IC1.13
VC1: IC1.10 U4.3 | length 373.8
  Bottom Layer w10: v1(-531,-1308.87) -362,-1139.87 IC1.10
VC2: IC1.11 U4.5 | length 253.1
  Bottom Layer w10: v1(-431,-1308.87) -312,-1189.87 IC1.11
VC3: IC1.9 U4.9 | length 218.5
  Top Layer w10: U4.9 -381,-1061.87 -362,-1042.87 -322,-1042.87 -306,-1058.87 -306,-1078.87 v1@-296,-1088.87
  Bottom Layer w10: v1(-297,-1089.87) IC1.9
VC4: IC1.8 U4.11 | length 300.8
  Top Layer w10: U4.11 -481,-1063.87 -440,-1022.87 v1(-298,-1022.87)
  Bottom Layer w10: v1(-298,-1022.87) -281,-1039.87 IC1.8
VC5: IC1.7 U4.13 | length 408.1
  Top Layer w10: U4.13 -581,-1062.87 -508,-989.87 v1(-295,-989.87)
  Bottom Layer w10: v1(-295,-989.87) IC1.7
VC6: IC1.6 U5.1 | length 455.1
  Top Layer w10: U5.1 -627,-866.87 -554,-939.87 v1(-297,-939.87)
  Bottom Layer w10: v1(-297,-939.87) IC1.6
VC7: IC1.5 U5.3 | length 349
  Top Layer w10: U5.3 -527,-866.37 -485.5,-907.87 -299,-907.87 v1(-297,-905.87)
  Bottom Layer w10: v1(-297,-905.87) -281,-889.87 IC1.5
VC8: IC1.4 U5.5 | length 264.2
  Top Layer w10: U5.5 -427,-869.87 -412,-884.87 -319.28,-884.87 -307.14,-872.73 -307.14,-853.01 v1(-294,-839.87)
  Bottom Layer w10: v1(-294,-839.87) IC1.4
VC9: IC1.1 U5.9 | length 202.8
  Top Layer w10: v1(-377,-619.87) U5.9@-377,-595.87
  Bottom Layer w10: v1(-377,-619.87) -307,-689.87 IC1.1
VC10: IC1.2 U5.11 | length 325.5
  Top Layer w10: v1(-477,-619.87) U5.11@-477,-593.87
  Bottom Layer w10: v1(-477,-619.87) -357,-739.87 IC1.2
VC11: IC1.3 U5.13 | length 442.2
  Top Layer w10: v1(-577,-619.87) U5.13@-577,-597.87
  Bottom Layer w10: v1(-577,-619.87) -407,-789.87 IC1.3
XTALA: C2.2 R14.1 U1.5 Y1.1 | length 202.5
  Top Layer w10: Y1.1@-96.58,-602.53 -98.55,-600.55 Y1.1 ; C2.2 -70.47,-572.47 Y1.1 ; U1.5 -71.86,-662.38 R14.1 -71.86,-621.24 Y1.1
XTALB: C6.2 R14.2 U1.6 Y1.3 | length 198.9
  Top Layer w10: C6.2 -169.66,-650.45 Y1.3 -120.37,-678.52 R14.2 -83.56,-678.52 U1.6
pads on no net: IC1.14 IC1.15 IC1.16 IC1.17 IC2.5 M1.3 M1.4 M1.5 M1.6 M1.7 M1.8 M1.9 M1.10 M1.11 M1.16 M1.17 M1.18 M1.19 M1.20 M1.21 M1.23 M1.24 M1.25 M1.26 M1.27 M1.28 M1.29 M1.30 M1.31 M1.32 M1.33 M1.34 U1.2 U1.3 U1.4 U1.7 U1.19 U1.20 U1.25 U1.26 U1.27 U1.28 U1.29 U1.38 U1.39 U1.40 U1.41 U1.42 U1.43 U1.45 U1.46 U2.7 U2.14 U2.15 U2.16 U2.17 U2.21 U2.22 U2.25 U3.1 U3.2 U3.6 U3.10 U3.11 U3.12 U3.13 U3.14 U3.15 U3.16 U3.17 U3.18 U3.19 U3.20 U3.21 U3.22 U3.23 U3.24 U3.27 U3.28 USB1. USB1.A5 USB1.A8 USB1.B5 USB1.B8 V3.4
copper on no net:
  other v1: 85,-1293

## Polygon pours and split planes (outlines as drawn)
GND on Bottom Layer (solid, remove dead copper, pour order 34): -1224,-332 1255,-332 1270,-347 1237,-380 1237,-2442 -1385,-2442 -1409,-2418
GND-IMU on Bottom Layer (solid, remove dead copper, pour order 28): -70,-1234 -67,-1237 -49,-1237 -49,-1236 -35,-1222 -35,-1194 -23,-1182 -22,-1183 117,-1183 117,-1147 125,-1139 125,-1137 157,-1137 209,-1189 231,-1189 233,-1187 249,-1203 249,-1391 183,-1457 183,-1458 -27,-1458 -92,-1393 -92,-1255 -93,-1254
GND on Top Layer (solid, remove dead copper, pour order 32): -1176,-351 -1137,-390 1305,-390 1305,-2106 1068,-2343 1056,-2331 -1211,-2331
GND-IMU on Top Layer (solid, remove dead copper, pour order 30): -69,-1235 -49,-1235 -35,-1221 -35,-1194 -34,-1194 -22,-1182 118,-1182 118,-1146 124,-1140 124,-1137 156,-1137 208,-1189 234,-1189 250,-1205 251,-1205 251,-1390 184,-1457 184,-1458 -27,-1458 -89.82,-1395.18 -89.82,-1258.18 -91,-1257

## Keep-outs
Keep-Out Layer:
  lines w10: -983,-2035.78 -983,-552 ; -982.52,-2035.78 ccw(c-876,-2040) -871.07,-2146.49 ; -981.49,-551.93 cw(c-875,-547) -870.78,-440.48 ; -871.07,-2146 934.78,-2146 ; -870.78,-441 935.07,-441 ; 934.78,-2145.52 ccw(c939,-2039) 1045.49,-2034.07 ; 935.07,-441.51 cw(c940,-548) 1046.52,-552.22 ; 1046,-2034.07 1046,-552.22

## Silkscreen, mask and mechanical layers (free items; w line width, h text height)
Top Overlay:
  lines w6: -821.91,-1965 -817.14,-620 ; -656,-1973 -651.14,-602.28 ; -91.55,-1393 -27.55,-1457 183.45,-1457 249.45,-1391 249.45,-1204 233.45,-1188 208.45,-1188 157.45,-1137 124.45,-1137 117.45,-1144 117.45,-1183 -2.55,-1183 -24.55,-1183 -35.55,-1194 -35.55,-1223 -47.38,-1234.83 -71.55,-1234.83 -91.55,-1254.83 -91.55,-1274.55 -91.55,-1393
Bottom Overlay:
  text "By GuangJin / 2022.07.03" at 161.35,-1379.78 h30